# Altium PCB SystemStatus.PcbDoc (part 1 of 2) (continued)
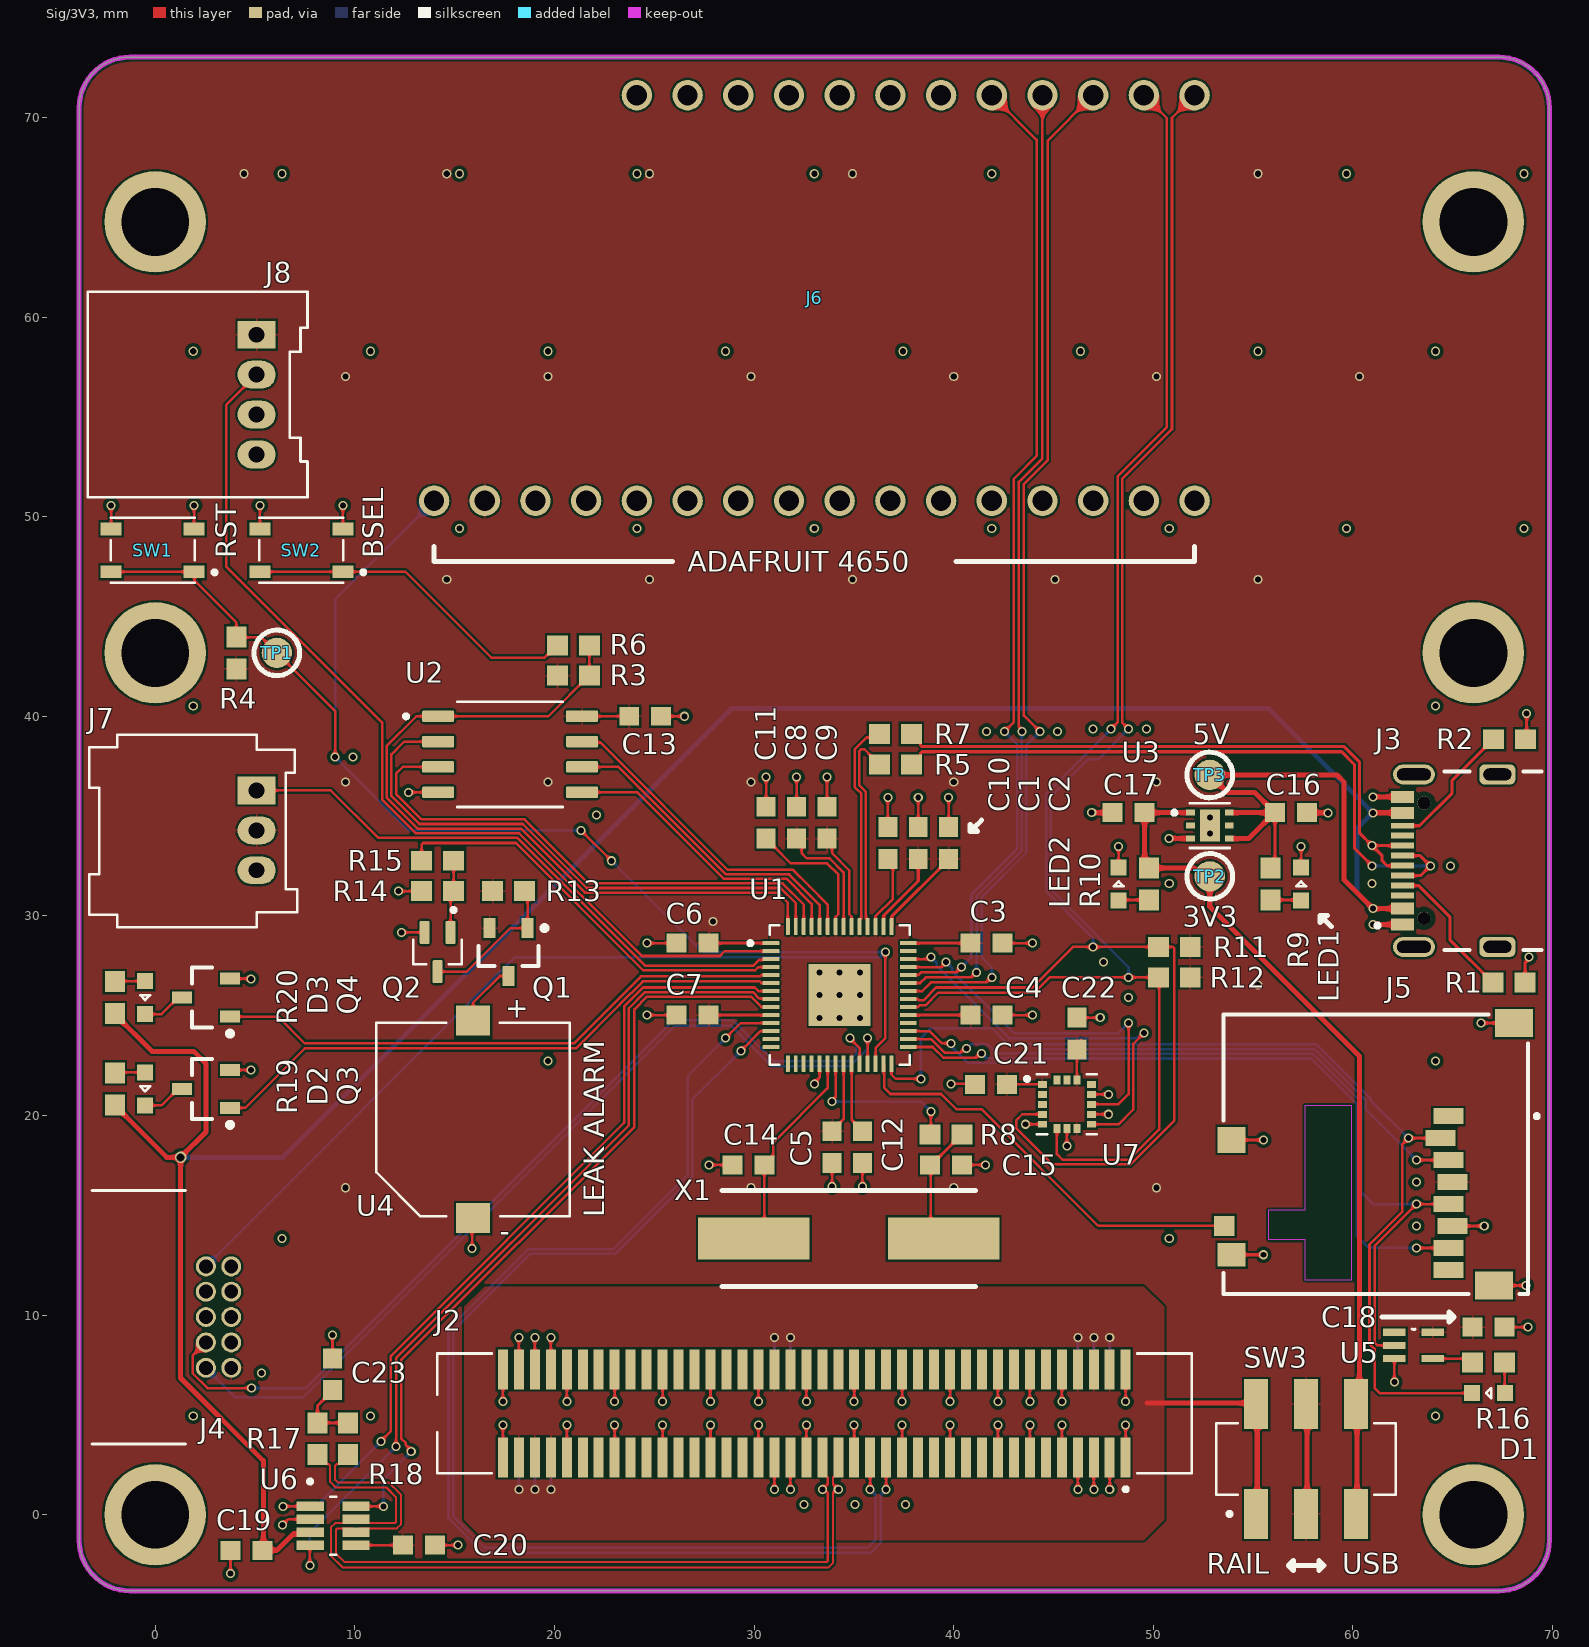
[diagram p0: Sig/3V3 view]
## Design rules (kind name [scope] priority, off if disabled: settings) (continued)
PolygonConnect [All] p2: thpad.connectstyle=Relief thpad.reliefconductorwidth=0.102 thpad.reliefentries=4 thpad.polygonreliefangle="90 Angle" thpad.airgapwidth=0.102 smdpad.connectstyle=Relief smdpad.reliefconductorwidth=0.102 smdpad.reliefentries=4 smdpad.polygonreliefangle="90 Angle" smdpad.airgapwidth=0.102 via.connectstyle=Direct via.reliefconductorwidth=0.127 via.reliefentries=4 via.polygonreliefangle="90 Angle" via.airgapwidth=0.127
RoutingVias [All] p1: holewidth=0.2 width=0.45 viastyle="Through Hole" minholewidth=0.2 minwidth=0.45 maxholewidth=6.3 maxwidth=6.55
SilkToSilkClearance [All] p1: silktosilkclearance=0
SilkToSolderMaskClearance [IsPad] p1: minsilkscreentomaskgap=0.102 clearancetoexposedcopper=TRUE
SolderMaskExpansion [All] p1: expansion=0.075 istentingtop=FALSE
Width [All] p1: maxlimit=1816.048 minlimit=0.102 preferedwidth=0.102
20 further rules are at their usual default settings.

## Classes and differential pairs
differential pair class USB0_RP_LINES: USB0_RP
differential pair class USB0_LINES: USB0_D
differential pair class CAN0_LINES: CAN0
net class USB0_RP: USB0_RP_N USB0_RP_P
net class USB0_D: USB0_D_N USB0_D_P
net class CAN0: CAN0_N CAN0_P
component class Power: C16 C17 LED1 LED2 R9 R10 SW3 TP2 TP3 U3
component class Microcontroller: C1 C2 C3 C4 C5 C6 C7 C8 C9 C10 C11 C12 C13 C14 C15 R3 R4 R5 R6 R7 R8 SW1 SW2 TP1 U1 U2 X1
component class Connectors: J1 J2 J3 J4 R1 R2
component class Components: C18 C19 C20 C21 C22 C23 D1 D2 D3 J5 J6 J7 J8 Q1 Q2 Q3 Q4 R11 R12 R13 R14 R15 R16 R17 R18 R19 R20 U4 U5 U6 U7
differential pair USB0_RP: +USB0_RP_P -USB0_RP_N
differential pair USB0_D: +USB0_D_P -USB0_D_N
differential pair CAN0: +CAN0_P -CAN0_N

## Components (designator, comment, footprint, x,y, rotation, side; value= is the part's Value field where it differs from the comment)
C1 "1uF" CAPC0603 38.227,33.655 r270 top
C2 "100nF" CAPC0603 39.751,33.655 r270 top
C3 "100nF" CAPC0603 41.656,28.635 r180 top
C4 "100nF" CAPC0603 41.656,25.035 r180 top
C5 "100nF" CAPC0603 33.909,18.415 r90 top
C6 "100nF" CAPC0603 26.924,28.635 r0 top
C7 "100nF" CAPC0603 26.924,25.035 r0 top
C8 "100nF" CAPC0603 32.131,34.671 r270 top
C9 "100nF" CAPC0603 33.655,34.671 r270 top
C10 "1uF" CAPC0603 36.703,33.655 r270 top
C11 "100nF" CAPC0603 30.607,34.671 r270 top
C12 "100nF" CAPC0603 35.433,18.415 r90 top
C13 "100nF" CAPC0603 24.549,40.005 r180 top
C14 "27pF" CAPC0603 29.718,17.526 r0 top
C15 "27pF" CAPC0603 39.624,17.526 r180 top
C16 "1uF" CAPC0603 56.896,35.175 r180 top
C17 "1uF" CAPC0603 48.768,35.175 r0 top
C18 "100nF" CAPC0603 66.802,9.398 r0 top
C19 "100nF" CAPC0603 4.572,-1.778 r0 top
C20 "100nF" CAPC0603 13.208,-1.524 r180 top
C21 "100nF" CAPC0603 41.872,21.566 r0 top
C22 "100nF" CAPC0603 46.175,24.106 r270 top
C23 "Cap" CAPC0603 8.883,7.041 r90 top value=CT
D1 "RED" LED0603 66.802,6.096 r180 top
D2 "GREEN" LED0603 -0.5,21.336 r270 top
D3 "YELLOW" LED0603 -0.5,25.908 r270 top
J1 "10144517-081802LF" AMPHENOL_10144517-081802LF 33.02,5.08 r0 bottom
J2 "10144518-083802LF" AMPHENOL_10144518-083802LF 33.02,5.08 r180 top
J3 "USB4105-GF-A" GCT_USB4105-GF-A 67.239,32.77 r90 top locked
J4 "3221-10" 3220-10-0200-00 -2.794,9.906 r90 top
J5 "MEM2052-00-195-00-A" GCT_MEM2052-00-195-00-A_REVA 61.147,18.063 r90 top
J6 "Adafruit FeatherWing OLED" ADAFRUIT_4650 21.59,71.12 r0 top locked
J7 "0353630360" MOLEX-HDR-1X3-SHERLOCK-RA 5.08,36.29 r90 top
J8 "0353630460" MOLEX-HDR-1X4-SHERLOCK-RA 5.08,59.118 r90 top
LED1 "RED" LED0603 57.404,31.604 r90 top
LED2 "YELLOW" LED0603 48.26,31.604 r90 top
Q1 "DMP3056L-7" SOT-23-3 17.704,28.194 r270 top
Q2 "2N7002W" SOT-323 14.148,28.194 r270 top
Q3 "MMUN2235LT1G" SOT-23-3 2.548,21.336 r180 top
Q4 "MMUN2235LT1G" SOT-23-3 2.548,25.908 r180 top
R1 "5.1kR" RES0603 67.831,26.662 r180 top
R2 "5.1kR" RES0603 67.856,38.854 r180 top
R3 "Res" RES0603 20.955,42.037 r180 top value=DNP
R4 "1kR" RES0603 4.064,43.18 r270 top
R5 "27.4R" RES0603 37.084,37.592 r0 top
R6 "1kR" RES0603 20.955,43.561 r0 top
R7 "27.4R" RES0603 37.084,39.116 r0 top
R8 "1kR" RES0603 39.624,19.05 r180 top
R9 "1kR" RES0603 55.88,31.604 r90 top
R10 "1kR" RES0603 49.784,31.604 r90 top
R11 "1kR" RES0603 51.054,28.448 r0 top
R12 "1kR" RES0603 51.054,26.924 r0 top
R13 "10kR" RES0603 17.704,31.242 r180 top
R14 "10kR" RES0603 14.148,31.242 r0 top
R15 "1kR" RES0603 14.148,32.766 r0 top
R16 "270R" RES0603 66.802,7.62 r180 top
R17 "Res" RES0603 8.128,3.81 r90 top value=RT/2
R18 "Res" RES0603 9.652,3.81 r270 top value=RT/2
R19 "270R" RES0603 -2.024,21.336 r270 top
R20 "270R" RES0603 -2.024,25.908 r270 top
SW1 "PTS810 SJK 250" SW_PTS810_SJM_250_SMTR_LFS -0.129,48.319 r180 top
SW2 "PTS810 SJK 250" SW_PTS810_SJM_250_SMTR_LFS 7.323,48.319 r180 top
SW3 "JS202011SCQN" SW_JS202011SCQN 57.658,2.794 r0 top
TP1 "TP" TPAD-60MIL 6.096,43.18 r0 top
TP2 "TP" TPAD-60MIL 52.832,31.985 r0 top
TP3 "TP" TPAD-60MIL 52.832,37.065 r0 top
U1 "RP2040" QFN40P700X700X90-57N 34.29,26.035 r0 top
U2 "W25Q128JVSIQ" SOIC127P790X216-8N 17.78,38.1 r0 top
U3 "TLV757P" VREG_TLV75733PDRVR 52.832,34.525 r0 top
U4 "CMI-9705" CUI_CMI-9705-0380-SMT-TR 15.926,19.812 r0 top
U5 "74LVC1G17SE-7" SOT65P210X110-5N 63.043,8.484 r0 top
U6 "TCAN1044AV" SOT65P280X110-8N 8.913,-0.549 r0 top
U7 "LIS3DHTR" XDCR_LIS3DHTR 45.675,20.566 r0 top
X1 "12.000MHZ" ABLS-12.000MHZ 39.497,13.843 r180 top

## Footprints (in the part's own frame and the unit in brackets; to place one, negate y for a bottom-side part, rotate by r counter-clockwise, add the part's x,y. Pads: shape width x height; smd on the part's side, far side on the other; paste and mask are expansions set on the pad)
3220-10-0200-00 [mm]
  round 1 hole 0.7: 1(-2.54,-6.604) 2(-2.54,-5.334) 3(-1.27,-6.604) 4(-1.27,-5.334) 5(0,-6.604) 6(0,-5.334) 7(1.27,-6.604) 8(1.27,-5.334) 9(2.54,-6.604) 10(2.54,-5.334)
  silkscreen extent -6.35,-4.32 6.35,0.38, body extent -6.32,-6.81 6.32,0.76, height 5.14
ABLS-12.000MHZ [mil]
  rect 220x83 smd paste-22.44 mask+1.97: 1(0,0) 2(374,0)
  silkscreen extent -63,-95 437,95, body extent -60,-93 440,93, height 160
ADAFRUIT_4650 [mil]
  round 60 hole 40: 1(-300,-800) 2(-200,-800) 3(-100,-800) 4(0,-800) 5(100,-800) 6(200,-800) 7(300,-800) 8(400,-800) 9(500,-800) 10(600,-800) 11(700,-800) 12(800,-800) 13(900,-800) 14(1000,-800) 15(1100,-800) 16(1200,-800) 17(1200,0) 18(1100,0) 19(1000,0) 20(900,0) 21(800,0) 22(700,0) 23(600,0) 24(500,0) 25(400,0) 26(300,0) 27(200,0) 28(100,0)
  body extent -550,-1150 1450,55, height 443
AMPHENOL_10144517-081802LF [mm]
  rect 0.5x2 smd: 1(15.6,2.2) 2(15.6,-2.2) 3(14.8,2.2) 4(14.8,-2.2) 5(14,2.2) 6(14,-2.2) 7(13.2,2.2) 8(13.2,-2.2) 9(12.4,2.2) 10(12.4,-2.2) 11(11.6,2.2) 12(11.6,-2.2) 13(10.8,2.2) 14(10.8,-2.2) 15(10,2.2) 16(10,-2.2) 17(9.2,2.2) 18(9.2,-2.2) 19(8.4,2.2) 20(8.4,-2.2) 21(7.6,2.2) 22(7.6,-2.2) 23(6.8,2.2) 24(6.8,-2.2) 25(6,2.2) 26(6,-2.2) 27(5.2,2.2) 28(5.2,-2.2) 29(4.4,2.2) 30(4.4,-2.2) 31(3.6,2.2) 32(3.6,-2.2) 33(2.8,2.2) 34(2.8,-2.2) 35(2,2.2) 36(2,-2.2) 37(1.2,2.2) 38(1.2,-2.2) 39(0.4,2.2) 40(0.4,-2.2) 41(-0.4,2.2) 42(-0.4,-2.2) 43(-1.2,2.2) 44(-1.2,-2.2) 45(-2,2.2) 46(-2,-2.2) 47(-2.8,2.2) 48(-2.8,-2.2) 49(-3.6,2.2) 50(-3.6,-2.2) 51(-4.4,2.2) 52(-4.4,-2.2) 53(-5.2,2.2) 54(-5.2,-2.2) 55(-6,2.2) 56(-6,-2.2) 57(-6.8,2.2) 58(-6.8,-2.2) 59(-7.6,2.2) 60(-7.6,-2.2) 61(-8.4,2.2) 62(-8.4,-2.2) 63(-9.2,2.2) 64(-9.2,-2.2) 65(-10,2.2) 66(-10,-2.2) 67(-10.8,2.2) 68(-10.8,-2.2) 69(-11.6,2.2) 70(-11.6,-2.2) 71(-12.4,2.2) 72(-12.4,-2.2) 73(-13.2,2.2) 74(-13.2,-2.2) 75(-14,2.2) 76(-14,-2.2) 77(-14.8,2.2) 78(-14.8,-2.2) 79(-15.6,2.2) 80(-15.6,-2.2)
  silkscreen extent -18.9,-3 18.9,4.3, body extent -18.9,-3 18.9,3, height 3.66
AMPHENOL_10144518-083802LF [mm]
  rect 0.5x2 smd paste+0: 1(-15.6,2.2) 2(-15.6,-2.2) 3(-14.8,2.2) 4(-14.8,-2.2) 5(-14,2.2) 6(-14,-2.2) 7(-13.2,2.2) 8(-13.2,-2.2) 9(-12.4,2.2) 10(-12.4,-2.2) 11(-11.6,2.2) 12(-11.6,-2.2) 13(-10.8,2.2) 14(-10.8,-2.2) 15(-10,2.2) 16(-10,-2.2) 17(-9.2,2.2) 18(-9.2,-2.2) 19(-8.4,2.2) 20(-8.4,-2.2) 21(-7.6,2.2) 22(-7.6,-2.2) 23(-6.8,2.2) 24(-6.8,-2.2) 25(-6,2.2) 26(-6,-2.2) 27(-5.2,2.2) 28(-5.2,-2.2) 29(-4.4,2.2) 30(-4.4,-2.2) 31(-3.6,2.2) 32(-3.6,-2.2) 33(-2.8,2.2) 34(-2.8,-2.2) 35(-2,2.2) 36(-2,-2.2) 37(-1.2,2.2) 38(-1.2,-2.2) 39(-0.4,2.2) 40(-0.4,-2.2) 41(0.4,2.2) 42(0.4,-2.2) 43(1.2,2.2) 44(1.2,-2.2) 45(2,2.2) 46(2,-2.2) 47(2.8,2.2) 48(2.8,-2.2) 49(3.6,2.2) 50(3.6,-2.2) 51(4.4,2.2) 52(4.4,-2.2) 53(5.2,2.2) 54(5.2,-2.2) 55(6,2.2) 56(6,-2.2) 57(6.8,2.2) 58(6.8,-2.2) 59(7.6,2.2) 60(7.6,-2.2) 61(8.4,2.2) 62(8.4,-2.2) 63(9.2,2.2) 64(9.2,-2.2) 65(10,2.2) 66(10,-2.2) 67(10.8,2.2) 68(10.8,-2.2) 69(11.6,2.2) 70(11.6,-2.2) 71(12.4,2.2) 72(12.4,-2.2) 73(13.2,2.2) 74(13.2,-2.2) 75(14,2.2) 76(14,-2.2) 77(14.8,2.2) 78(14.8,-2.2) 79(15.6,2.2) 80(15.6,-2.2)
  silkscreen extent -18.9,-3 18.9,3.9, body extent -18.9,-3 18.9,3, height 6.65
CAPC0603 [mm] "Chip Capacitor, 2-Leads, Body 1.60x0.80mm, IPC Medium Density"
  rect 1x0.95 smd: 1(-0.8,0) 2(0.8,0)
  body extent -0.88,-0.48 0.87,0.48, height 0.8
CUI_CMI-9705-0380-SMT-TR [mm]
  rect 1.7x1.5 smd: N(0,-4.95) P(0,4.95)
  silkscreen extent -4.85,-4.85 4.85,4.85, body extent -4.85,-5.05 4.85,5.05, height 5.21
GCT_MEM2052-00-195-00-A_REVA [mm]
  rect 1.4x1.9 smd: G1(-6.575,-5.925) G2(6.575,-6.925)
  rect 1.2x1.4 smd: G3(-5.035,7.225)
  rect 1.3x1.4 smd: G4(0.715,7.225)
  rect 0.8x1.5 smd: P1(1.905,-3.635) P2(0.805,-3.235) P3(-0.295,-3.635) P4(-1.395,-3.835) P5(-2.495,-3.635) P6(-3.595,-3.835) P7(-4.695,-3.635) P8(-5.795,-3.635)
  rect 1x1.04 smd: P9(-3.585,7.595)
  Keep-Out Layer region: -2.79,3.535 2.45,3.535 2.45,1.235 -6.31,1.235 -6.31,3.535 -4.29,3.535 -4.29,5.365 -2.79,5.365
  silkscreen extent -7,-8.17 7,7.63, body extent -7.2,-7.83 6.95,7.62, height 1.96
GCT_USB4105-GF-A [mm]
  rect 0.6x1.15 smd: A1_B12(-3.2,4.755) A4_B9(-2.4,4.755) B1_A12(3.2,4.755) B4_A9(2.4,4.755)
  rect 0.3x1.15 smd: A5(-1.25,4.755) A6(-0.25,4.755) A7(0.25,4.755) A8(1.25,4.755) B5(1.75,4.755) B6(0.75,4.755) B7(-0.75,4.755) B8(-1.75,4.755)
  oval 1x2.1 hole 0.6 slot 1.7 at 90 deg: S1(-4.32,4.18) S2(4.32,4.18)
  rrect50% 1x1.8 hole 0.6 slot 1.4 at 90 deg: S3(-4.32,0) S4(4.32,0)
  round 0.65 hole 0.65 unplated paste-2539.97: ""(-2.89,3.68) ""(2.89,3.68)
  silkscreen extent -4.47,-2.22 4.47,6.1, body extent -4.47,-2.6 4.47,5.11, height 3.31
LED0603 [mm] "Chip LED, 2-Leads, Body 1.60x0.80mm, IPC Medium Density"
  rect 0.8x0.8 smd: A(-0.825,0) C(0.825,0)
  silkscreen extent -0.13,-0.25 0.12,0.25, body extent -0.88,-0.48 0.87,0.47, height 0.8
MOLEX-HDR-1X3-SHERLOCK-RA [mm]
  rect 1.397x1.905 hole 0.8: 1(0,0)
  oval 1.397x1.905 hole 0.8: 2(-2,0) 3(-4,0)
  silkscreen extent -6.86,-2.03 2.79,8.38, body extent -6.88,-1.99 2.82,8.51, height 5.75
MOLEX-HDR-1X4-SHERLOCK-RA [mm]
  rect 1.397x1.905 hole 0.8: 1(0,0)
  oval 1.397x1.905 hole 0.8: 2(-2,0) 3(-4,0) 4(-6,0)
  silkscreen extent -8.15,-2.55 2.15,8.46, body extent -8.17,-1.98 2.13,8.52, height 5.54
QFN40P700X700X90-57N [mm]
  rrect25% 0.84x0.2 smd mask+0.05: 1(-3.435,2.6) 2(-3.435,2.2) 3(-3.435,1.8) 4(-3.435,1.4) 5(-3.435,1) 6(-3.435,0.6) 7(-3.435,0.2) 8(-3.435,-0.2) 9(-3.435,-0.6) 10(-3.435,-1) 11(-3.435,-1.4) 12(-3.435,-1.8) 13(-3.435,-2.2) 14(-3.435,-2.6) 29(3.435,-2.6) 30(3.435,-2.2) 31(3.435,-1.8) 32(3.435,-1.4) 33(3.435,-1) 34(3.435,-0.6) 35(3.435,-0.2) 36(3.435,0.2) 37(3.435,0.6) 38(3.435,1) 39(3.435,1.4) 40(3.435,1.8) 41(3.435,2.2) 42(3.435,2.6)
  rrect25% 0.2x0.84 smd mask+0.05: 15(-2.6,-3.435) 16(-2.2,-3.435) 17(-1.8,-3.435) 18(-1.4,-3.435) 19(-1,-3.435) 20(-0.6,-3.435) 21(-0.2,-3.435) 22(0.2,-3.435) 23(0.6,-3.435) 24(1,-3.435) 25(1.4,-3.435) 26(1.8,-3.435) 27(2.2,-3.435) 28(2.6,-3.435) 43(2.6,3.435) 44(2.2,3.435) 45(1.8,3.435) 46(1.4,3.435) 47(1,3.435) 48(0.6,3.435) 49(0.2,3.435) 50(-0.2,3.435) 51(-0.6,3.435) 52(-1,3.435) 53(-1.4,3.435) 54(-1.8,3.435) 55(-2.2,3.435) 56(-2.6,3.435)
  rect 3.1x3.1 smd paste-0.57 mask+0.05: 57(0,0)
  silkscreen extent -4.57,-3.5 3.5,3.5, body extent -3.5,-3.5 3.5,3.5
RES0603 [mm] "Chip Resistor, 2-Leads, Body 1.60x0.80mm, IPC Medium Density"
  rect 1.05x1 smd: 1(-0.8,0) 2(0.8,0)
  body extent -0.88,-0.48 0.87,0.47, height 0.8
SOIC127P790X216-8N [mm]
  rrect25% 1.61x0.58 smd: 1(-3.605,1.905) 2(-3.605,0.635) 3(-3.605,-0.635) 4(-3.605,-1.905) 5(3.605,-1.905) 6(3.605,-0.635) 7(3.605,0.635) 8(3.605,1.905)
  silkscreen extent -5.31,-2.64 2.64,2.64, body extent -3.95,-2.64 3.95,2.64, height 2.11
SOT65P210X110-5N [mil]
  rect 44x14 smd: 1(-38,26) 2(-38,0) 3(-38,-26) 4(38,-26) 5(38,26)
  silkscreen extent -3,32 3,32, body extent -41,-39 41,39, height 43
SOT65P280X110-8N [mm]
  rrect10% 1.37x0.48 smd: 1(-1.15,0.975) 2(-1.15,0.325) 3(-1.15,-0.325) 4(-1.15,-0.975) 5(1.15,-0.975) 6(1.15,-0.325) 7(1.15,0.325) 8(1.15,0.975)
  silkscreen extent -1.25,-1.45 0.15,2.31, body extent -1.4,-1.45 1.4,1.45, height 1.1
SOT-23-3 [mm] "SOT23, 3-Leads, Body 2.92x2.37mm, Pitch 0.95mm, IPC Medium Density"
  rect 1x0.6 smd: 1(-1.2,0.95) 2(-1.2,-0.95) 3(1.2,0)
  silkscreen extent -1.32,-1.5 0.7,1.93, body extent -1.32,-1.52 1.32,1.52, height 1.11
SOT-323 [mm]
  rrect25% 1.15x0.5 smd: 1(-0.98,0.65) 2(-0.98,-0.65) 3(0.98,0)
  silkscreen extent -2.2,-1.21 0.62,1.21, body extent -1,-1 1.1,1, height 1.01
SW_JS202011SCQN [mm]
  rect 1.2x2.5 smd: 1(-2.5,-2.75) 2(0,-2.75) 3(2.5,-2.75) 4(-2.5,2.75) 5(0,2.75) 6(2.5,2.75)
  silkscreen extent -4.5,-2.85 4.5,1.8, body extent -4.5,-3.75 4.5,3.75, height 5.52
SW_PTS810_SJM_250_SMTR_LFS [mm]
  rect 1.05x0.65 smd: 1(-2.075,1.075) 2(2.075,1.075) 3(-2.075,-1.075) 4(2.075,-1.075)
  silkscreen extent -3.2,-1.62 2.1,1.62, body extent -2.3,-1.6 2.3,1.6, height 2.71
TPAD-60MIL [mil]
  round 60 smd paste-99999: 1(0,0)
  silkscreen extent -45,-45 45,45
VREG_TLV75733PDRVR [mm]
  rrect5% 0.45x0.3 smd: 1(-0.975,0.65) 2(-0.975,0) 3(-0.975,-0.65) 4(0.975,-0.65) 5(0.975,0) 6(0.975,0.65)
  rect 1x1.6 smd paste-2: 7(0,0)
  round 0.452 hole 0.3 mask+0: 8(0,0.4) 9(0,-0.4)
  silkscreen extent -1.87,-1.12 1,1.12, body extent -1,-1 1,1, height 0.8
XDCR_LIS3DHTR [mm]
  rect 0.45x0.35 smd paste-1 mask+0: 1(-1.225,1) 2(-1.225,0.5) 3(-1.225,0) 4(-1.225,-0.5) 5(-1.225,-1) 9(1.225,-1) 10(1.225,-0.5) 11(1.225,0) 12(1.225,0.5) 13(1.225,1)
  rect 0.35x0.45 smd paste-1 mask+0: 6(-0.5,-1.225) 7(0,-1.225) 8(0.5,-1.225) 14(0.5,1.225) 15(0,1.225) 16(-0.5,1.225)
  silkscreen extent -2.1,-1.5 1.5,1.5, body extent -1.5,-1.5 1.5,1.5, height 1

## Part data
C1 C10 C16 C17: library part CC0603KRX7R7BB105, "Ceramic Capacitor, Multilayer, Cera", Capacitor Type=Ceramic, Case/Package=0603, Manufacturer=Yageo, Max Operating Temperature=125°C, Min Operating Temperature=-55°C, Package Shape=Rectangular, Package Style=SMTMeter, Rated DC Voltage (URdc)=16V, Supplier Part Number 1=311-1446-1-ND, Temperature Characteristics Code=X7R, Tolerance  (fill in as +-)=10%, Category="Ceramic Capacitors", ComponentLink1Description=https://datasheet.ciiva.com:443/pdf, ComponentLink1URL=https://datasheet.ciiva.com:443/pdf, ComponentLink2Description=https://datasheet.ciiva.com/8033/17, ComponentLink2URL=https://datasheet.ciiva.com/8033/17, ComponentLink3Description=https://datasheet.ciiva.com/8033/17, ComponentLink3URL=https://datasheet.ciiva.com/8033/17, ComponentLink4Description=https://datasheet.ciiva.com/7978/14, ComponentLink4URL=https://datasheet.ciiva.com/7978/14, ComponentLink5Description=https://datasheet.ciiva.com/28450/1, ComponentLink5URL=https://datasheet.ciiva.com/28450/1, ComponentLink6Description=https://datasheet.ciiva.com/176/mlc, ComponentLink6URL=https://datasheet.ciiva.com/176/mlc, ComponentLink7Description=https://datasheet.ciiva.com/176/mlc, ComponentLink7URL=https://datasheet.ciiva.com/176/mlc, ComponentLink8Description=https://datasheet.ciiva.com/176/mlc, ComponentLink8URL=https://datasheet.ciiva.com/176/mlc, ComponentLink9Description=https://datasheet.ciiva.com/5425/up, ComponentLink9URL=https://datasheet.ciiva.com/5425/up, Dielectric Material=Ceramic, Height=0.8mm, JESD-609 Code=e3, Length=1.6mm, Manufacturer Part Number=CC0603KRX7R7BB105, Mounting Technology="Surface Mount", Multilayer=Yes, Packaging="Tape and Reel", Part Number=CC0603KRX7R7BB105, Pins=2, Pricing 1="1=0.1, 10=0.066, 50=0.0392, 100=0.0", Reach SVHC Compliant=Yes, RoHS=Yes, RoHS Compliant=Yes, Stock 1=9695416, Supplier 1=Digikey, Terminal Finish=Nickel, Termination=Wraparound, Tolerance (fill in as +-)=10%, Width=0.8mm
C2 C3 C4 C5 C6 C7 C8 C9 C11 C12 C13 C18 C19 C20 C21 C22: library part CC0603KRX7R7BB104, "Ceramic Capacitor, Multilayer, Cera", Capacitor Type=Ceramic, Case/Package=0603, Manufacturer=Yageo, Max Operating Temperature=125°C, Min Operating Temperature=-55°C, Package Shape=Rectangular, Package Style=SMTMeter, Rated DC Voltage (URdc)=16V, Supplier Part Number 1=311-1088-1-ND, Temperature Characteristics Code=X7R, Tolerance  (fill in as +-)=10%, Category="Ceramic Capacitors", ComponentLink1Description=https://datasheet.ciiva.com:443/pdf, ComponentLink1URL=https://datasheet.ciiva.com:443/pdf, ComponentLink2Description=https://datasheet.ciiva.com/11786/0, ComponentLink2URL=https://datasheet.ciiva.com/11786/0, ComponentLink3Description=https://datasheet.ciiva.com/8033/70, ComponentLink3URL=https://datasheet.ciiva.com/8033/70, ComponentLink4Description=https://datasheet.ciiva.com/7978/14, ComponentLink4URL=https://datasheet.ciiva.com/7978/14, ComponentLink5Description=https://datasheet.ciiva.com/28450/1, ComponentLink5URL=https://datasheet.ciiva.com/28450/1, ComponentLink6Description=https://datasheet.ciiva.com/46430/1, ComponentLink6URL=https://datasheet.ciiva.com/46430/1, ComponentLink7Description=https://datasheet.ciiva.com/144/mlc, ComponentLink7URL=https://datasheet.ciiva.com/144/mlc, ComponentLink8Description=https://datasheet.ciiva.com/144/mlc, ComponentLink8URL=https://datasheet.ciiva.com/144/mlc, ComponentLink9Description=https://datasheet.ciiva.com/144/mlc, ComponentLink9URL=https://datasheet.ciiva.com/144/mlc, ComponentLink10Description=https://datasheet.ciiva.com/8033/17, ComponentLink10URL=https://datasheet.ciiva.com/8033/17, ComponentLink11Description=https://datasheet.ciiva.com/13395/u, ComponentLink11URL=https://datasheet.ciiva.com/13395/u, ComponentLink12Description=https://datasheet.ciiva.com/11464/u, ComponentLink12URL=https://datasheet.ciiva.com/11464/u, ComponentLink13Description=https://datasheet.ciiva.com/15165/g, ComponentLink13URL=https://datasheet.ciiva.com/15165/g, ComponentLink14Description=https://datasheet.ciiva.com:443/pdfs/VipMasterIC/IC/YAGO/YAGO-S-A0003557223, ComponentLink14URL=https://datasheet.ciiva.com:443/pdfs/VipMasterIC/IC/YAGO/YAGO-S-A0003557223, ComponentLink15Description=https://datasheet.ciiva.com/11786/0900766b80d84f1d-11786077.pdf?src-supplie, ComponentLink15URL=https://datasheet.ciiva.com/11786/0900766b80d84f1d-11786077.pdf?src-supplie, ComponentLink16Description=https://datasheet.ciiva.com/8033/70765-8033799.pdf?src-supplier=Element14, ComponentLink16URL=https://datasheet.ciiva.com/8033/70765-8033799.pdf?src-supplier=Element14, ComponentLink17Description=https://datasheet.ciiva.com/7978/1489800-7978141.pdf?src-supplier=Element14, ComponentLink17URL=https://datasheet.ciiva.com/7978/1489800-7978141.pdf?src-supplier=Element14, ComponentLink18URL=https://datasheet.ciiva.com/28450/1489800-28450552.pdf?src-supplier=Element, Dielectric Material=Ceramic, Height=0.8mm, JESD-609 Code=e3, Length=1.6mm, Manufacturer Part Number=CC0603KRX7R7BB104, Mounting Technology="Surface Mount", Multilayer=Yes, Packaging="Tape and Reel", Part Number=CC0603KRX7R7BB104, Pins=2, Pricing 1="1=0.1, 10=0.042, 50=0.0238, 100=0.0", Reach SVHC Compliant=Yes, RoHS=Yes, RoHS Compliant=Yes, Stock 1=11347706, Supplier 1=Digikey, Terminal Finish=Nickel, Termination=Wraparound, Tolerance (fill in as +-)=10%, Width=0.8mm
C14 C15: library part CC0603JRNPO9BN270, "Ceramic Capacitor, Multilayer, Cera", Capacitor Type=Ceramic, Case/Package=0603, Manufacturer=Yageo, Max Operating Temperature=125°C, Min Operating Temperature=-55°C, Package Shape=Rectangular, Package Style=SMTMeter, Rated DC Voltage (URdc)=50V, Supplier Part Number 1=311-1063-1-ND, Temperature Characteristics Code=C0G, Tolerance  (fill in as +-)=5%, Category="Ceramic Capacitors", ComponentLink1Description=https://datasheet.ciiva.com:443/pdf, ComponentLink1URL=https://datasheet.ciiva.com:443/pdf, ComponentLink2Description=https://datasheet.ciiva.com/26862/g, ComponentLink2URL=https://datasheet.ciiva.com/26862/g, ComponentLink3Description=https://datasheet.ciiva.com/8033/14, ComponentLink3URL=https://datasheet.ciiva.com/8033/14, ComponentLink4Description=https://datasheet.ciiva.com/46430/1, ComponentLink4URL=https://datasheet.ciiva.com/46430/1, ComponentLink5Description=https://datasheet.ciiva.com/144/mlc, ComponentLink5URL=https://datasheet.ciiva.com/144/mlc, ComponentLink6Description=https://datasheet.ciiva.com/144/mlc, ComponentLink6URL=https://datasheet.ciiva.com/144/mlc, ComponentLink7Description=https://datasheet.ciiva.com/144/mlc, ComponentLink7URL=https://datasheet.ciiva.com/144/mlc, ComponentLink8Description=https://datasheet.ciiva.com/8033/17, ComponentLink8URL=https://datasheet.ciiva.com/8033/17, ComponentLink9Description=https://datasheet.ciiva.com/8033/17, ComponentLink9URL=https://datasheet.ciiva.com/8033/17, ComponentLink10Description=https://datasheet.ciiva.com/11464/u, ComponentLink10URL=https://datasheet.ciiva.com/11464/u, Dielectric Material=Ceramic, Height=0.8mm, JESD-609 Code=e3, Length=1.6mm, Manufacturer Part Number=CC0603JRNPO9BN270, Mounting Technology="Surface Mount", Multilayer=Yes, Packaging="Tape and Reel", Part Number=CC0603JRNPO9BN270, Pins=2, Pricing 1="1=0.1, 10=0.033, 50=0.0188, 100=0.0", Reach SVHC Compliant=Yes, RoHS=Yes, RoHS Compliant=Yes, Stock 1=110865, Supplier 1=Digikey, Terminal Finish=Nickel, Termination=Wraparound, Tolerance (fill in as +-)=5%, Width=0.8mm
C23: Supplier Part Number 1=1276-1000-1-ND, Supplier 1=Digi-Key
D1 LED1: library part 150060RS75000, "Single Color LED, Red, Water Clear,", Color=Red, Forward Current=30mA, Manufacturer="Wurth Electronics", Max Operating Temperature=85°C, Min Operating Temperature=-40°C, Supplier Part Number 1=732-4978-1-ND, Category=LEDs, Channels=1, ComponentLink1Description=https://datasheet.ciiva.com:443/pdf, ComponentLink1URL=https://datasheet.ciiva.com:443/pdf, ComponentLink2Description=https://datasheet.ciiva.com/29563/1, ComponentLink2URL=https://datasheet.ciiva.com/29563/1, ComponentLink3Description=https://datasheet.ciiva.com/29279/7, ComponentLink3URL=https://datasheet.ciiva.com/29279/7, Lens Style="WATER CLEAR", Luminous Intensity-Nom=250mcd, Manufacturer Part Number=150060RS75000, Mounting Technology="Surface Mount", Optoelectronic Device Type="SINGLE COLOR LED", Overall Height=0.7mm, Packaging="Tape and Reel", Part Number=150060RS75000, Pins=2, Pricing 1="1=0.15, 50=0.142, 100=0.122, 500=0.", Reach SVHC Compliant=Yes, RoHS=Yes, RoHS Compliant=Yes, Shape=Rectangular, Size=1.1mm, Stock 1=139850, Supplier 1=Digikey, Terminal Pitch=1.6mm, Viewing Angle=140°
D2: library part 150060VS75000, "Single Color LED, Bright Green, Wat", Color=Green, Forward Current=30mA, Manufacturer="Wurth Electronics", Max Operating Temperature=85°C, Min Operating Temperature=-40°C, Supplier Part Number 1=732-4980-1-ND, Category=LEDs, Channels=1, ComponentLink1Description=https://datasheet.ciiva.com:443/pdf, ComponentLink1URL=https://datasheet.ciiva.com:443/pdf, ComponentLink2Description=https://datasheet.ciiva.com/29562/1, ComponentLink2URL=https://datasheet.ciiva.com/29562/1, Lens Style="WATER CLEAR", Luminous Intensity-Nom=40mcd, Manufacturer Part Number=150060VS75000, Mounting Technology="Surface Mount", Optoelectronic Device Type="SINGLE COLOR LED", Overall Height=0.7mm, Packaging="Tape and Reel", Part Number=150060VS75000, Pins=2, Pricing 1="1=0.15, 50=0.142, 100=0.122, 500=0.", Reach SVHC Compliant=Yes, RoHS=Yes, RoHS Compliant=Yes, Shape=Rectangular, Size=1.1mm, Stock 1=38675, Supplier 1=Digikey, Terminal Pitch=1.6mm, Viewing Angle=140°
D3 LED2: library part 150060YS75000, "Single Color LED, Yellow, Water Cle", Color=Yellow, Forward Current=30mA, Manufacturer="Wurth Electronics", Max Operating Temperature=85°C, Min Operating Temperature=-40°C, Supplier Part Number 1=732-4981-1-ND, Category=LEDs, Channels=1, ComponentLink1Description=https://datasheet.ciiva.com:443/pdf, ComponentLink1URL=https://datasheet.ciiva.com:443/pdf, ComponentLink2Description=https://datasheet.ciiva.com/23843/1, ComponentLink2URL=https://datasheet.ciiva.com/23843/1, ComponentLink3Description=https://datasheet.ciiva.com/29279/7, ComponentLink3URL=https://datasheet.ciiva.com/29279/7, ComponentLink4Description=https://datasheet.ciiva.com/22656/1, ComponentLink4URL=https://datasheet.ciiva.com/22656/1, ComponentLink5Description=https://datasheet.ciiva.com/29563/1, ComponentLink5URL=https://datasheet.ciiva.com/29563/1, ComponentLink6Description=https://datasheet.ciiva.com/29563/1, ComponentLink6URL=https://datasheet.ciiva.com/29563/1, ComponentLink7Description=https://datasheet.ciiva.com/48430/1, ComponentLink7URL=https://datasheet.ciiva.com/48430/1, Lens Style="WATER CLEAR", Luminous Intensity-Nom=120mcd, Manufacturer Part Number=150060YS75000, Mounting Technology="Surface Mount", Optoelectronic Device Type="SINGLE COLOR LED", Overall Height=0.7mm, Packaging="Tape and Reel", Part Number=150060YS75000, Pins=2, Pricing 1="1=0.15, 50=0.142, 100=0.122, 500=0.", Reach SVHC Compliant=Yes, RoHS=Yes, RoHS Compliant=Yes, Shape=Rectangular, Size=1.1mm, Stock 1=50357, Supplier 1=Digikey, Terminal Pitch=1.6mm, Viewing Angle=140°
J1: "CONN RCPT 1 80POS SMD GOLD", Supplier Part Number 1=609-5437-1-ND, Supplier 1=Digikey, System=Connector
J2: "CONN PLUG 3 80POS SMD GOLD", Supplier Part Number 1=609-5455-1-ND, Supplier 1=Digikey, System=Connector
J3: "USB-C (USB TYPE-C) USB 2.0 Receptacle Connector 24 (16+8 Dummy) Position Surface Mount, Right Angle; Through Hole", Package=None, Supplier Part Number 1=71AJ9393, Availability=Unavailable, MP=USB4120-03-C_REVA, Price=None, Supplier 1=Newark
J4: library part 3221-10-0300-00, "Connector Header Surface Mount 10 position 0.050\" (1.27mm)", Supplier Part Number 1=1175-1735-ND, Supplier 1=Digikey
J5: "9 (8 + 1) Position Card Connector Secure Digital - microSD™ Surface Mount, Right Angle Gold"
J6: library part ADAFRUIT_4650, "Adafruit FeatherWing OLED - 128x64 OLED Add-on For Feather - STEMMA QT / Qwiic", Supplier Part Number 1=1528-4650-ND, Supplier 1=Digikey
J7: library part SHERLOCK-1x3-RA, "Header, Molex, 2mm Pitch Sherlock Header, Single Row, Right Angle 3 Circuits, Length 3.3mm", Manufacturer="Molex Connector Corporation", Manufacturer Part Number=35363-0360, Supplier Part Number 1=WM18932-ND, Supplier 1=Digi-Key
J8: library part SHERLOCK-1x4-RA, "Header, Molex, 2mm Pitch Sherlock Header, Single Row, Horizontal, 4 Circuits, Length 3.3mm", Manufacturer=Molex, Supplier Part Number 1=WM18933-ND, Manufacturer Part Number=0353630460, Supplier 1=Digikey
Q1: "Power Field-Effect Transistor, 4.3A", Manufacturer=Diodes, Package Body Material=Plastic, Package Shape=Rectangular, Supplier Part Number 1=DMP3056L-7DICT-ND, Category=MOSFETs, JESD-609 Code=e3, Manufacturer Part Number=DMP3056L-7, Part Number=DMP3056L-7, Pins=3, Polarity/Channel Type=P-CHANNEL, Pricing 1="1=0.41, 10=0.315, 100=0.189, 500=0.", RoHS=Yes, Stock 1=150897, Supplier 1=Digikey, Terminal Finish=Tin, Transistor Element Material=SILICON
Q2: "Small Signal Field-Effect Transisto", Drain Current-Max (Abs) (ID)=115mA, Drain-source On Resistance-Max=7.5R, DS Breakdown Voltage-Min=60V, Manufacturer="ON Semiconductor / Fairchild", Max Operating Temperature=150°C, Operating Mode="ENHANCEMENT MODE", Package Body Material=Plastic, Package Shape=Rectangular, Package Style="SMALL OUTLINEMeter", Power Dissipation-Max (Abs)=200mW, Supplier Part Number 1=2N7002WCT-ND, Category=MOSFETs, Drain Current-Max (ID)=115mA, FET Technology="METAL-OXIDE SEMICONDUCTOR", JESD-30 Code=R-PDSO-G3, Manufacturer Part Number=2N7002W, Moisture Sensitivity Level=1, Number of Elements=1, Part Number=2N7002W, Pins=3, Polarity/Channel Type=N-CHANNEL, Pricing 1="1=0.43, 10=0.302, 100=0.1524, 500=0", RoHS=Yes, Stock 1=71945, Supplier 1=Digikey, Surface Mount=Yes, Terminal Form="Gull Wing", Terminal Position=DUAL, Transistor Application=SWITCHING, Transistor Element Material=SILICON
Q3 Q4: "Small Signal Bipolar Transistor, 0.", Collector-emitter Voltage-Max=50V, DC Current Gain-Min (hFE)=80, Manufacturer="ON Semiconductor", Max Collector Current=100mA, Package Body Material=Plastic, Package Shape=Rectangular, Package Style="SMALL OUTLINEMeter", Power Dissipation-Max (Abs)=400mW, Category=BJTs, ComponentLink1Description=https://datasheet.ciiva.com:443/pdf, ComponentLink1URL=https://datasheet.ciiva.com:443/pdf, ComponentLink2Description=http://www.mouser.com/ds/2/308/DTC1, ComponentLink2URL=http://www.mouser.com/ds/2/308/DTC1, ComponentLink3Description=http://www.onsemi.com/pub/Collatera, ComponentLink3URL=http://www.onsemi.com/pub/Collatera, ComponentLink4Description=http://www.onsemi.com/pub/Collatera, ComponentLink4URL=http://www.onsemi.com/pub/Collatera, JEDEC-95 Code=TO-236AB, JESD-30 Code=R-PDSO-G3, JESD-609 Code=e3, Manufacturer Part Number=MMUN2235LT1G, Moisture Sensitivity Level=1, Number of Elements=1, Part Number=MMUN2235LT1G, Pins=3, Polarity/Channel Type=NPN, Pricing 1="1=0.1198, 10=0.0829, 100=0.035, 100", Reach SVHC Compliant=Yes, RoHS=Yes, RoHS Compliant=Yes, Stock 1=373000, Supplier 1="Arrow Electronics", Supplier Part Number 1=MMUN2235LT1G, Surface Mount=Yes, Terminal Finish=Tin, Terminal Form="Gull Wing", Terminal Position=DUAL, Transistor Application=SWITCHING, Transistor Element Material=SILICON
R1 R2: library part RC0603FR-075K1L, "Fixed Resistor, Metal Glaze/thick F", Case/Package=0603, Manufacturer=Yageo, Max Operating Temperature=155°C, Min Operating Temperature=-55°C, Package Height=0.45mm, Package Length=1.6mm, Package Shape=Rectangular, Package Style=SMTMeter, Package Width=0.8mm, Power=100mW, Rated Temperature=70°C, Resistor Type="FIXED RESISTOR", Supplier Part Number 1=311-5.10KHRCT-ND, Temperature Coefficient=100ppm/°C, Tolerance=1%, Working Voltage=75V, Additional Feature="LASER TRIMMABLE", Category="Chip SMD Resistors", ComponentLink1Description=https://datasheet.ciiva.com:443/pdf, ComponentLink1URL=https://datasheet.ciiva.com:443/pdf, ComponentLink2Description=https://datasheet.ciiva.com/46395/4, ComponentLink2URL=https://datasheet.ciiva.com/46395/4, ComponentLink3Description=https://datasheet.ciiva.com/2454/py, ComponentLink3URL=https://datasheet.ciiva.com/2454/py, ComponentLink4Description=https://datasheet.ciiva.com/2454/py, ComponentLink4URL=https://datasheet.ciiva.com/2454/py, ComponentLink5Description=https://datasheet.ciiva.com/2454/py, ComponentLink5URL=https://datasheet.ciiva.com/2454/py, ComponentLink6Description=https://datasheet.ciiva.com/15189/g, ComponentLink6URL=https://datasheet.ciiva.com/15189/g, Construction=Chip, JESD-609 Code=e3, Manufacturer Part Number=RC0603FR-075K1L, Mounting Technology="Surface Mount", Packaging="Tape and Reel", Part Number=RC0603FR-075K1L, Pins=2, Pricing 1="1=0.1, 10=0.019, 50=0.0112, 100=0.0", Reach SVHC Compliant=Yes, RoHS=Yes, RoHS Compliant=Yes, Stock 1=2654160, Supplier 1=Digikey, Technology="METAL GLAZE/THICK FILM", Terminal Finish=Nickel, Termination=Wraparound
R3 R17 R18: Supplier Part Number 1=RMCF0603JT10K0CT-ND, Supplier 1=Digi-Key
R4 R6 R8 R9 R10 R11 R12 R15: library part RC0603FR-071KL, "Fixed Resistor, Metal Glaze/thick F", Case/Package=0603, Manufacturer=Yageo, Max Operating Temperature=155°C, Min Operating Temperature=-55°C, Package Height=0.45mm, Package Length=1.6mm, Package Shape=Rectangular, Package Style=SMTMeter, Package Width=0.8mm, Power=100mW, Rated Temperature=70°C, Resistor Type="FIXED RESISTOR", Supplier Part Number 1=4016291, Temperature Coefficient=100ppm/°C, Tolerance=1%, Working Voltage=75V, Additional Feature="LASER TRIMMABLE", Category="Chip SMD Resistors", ComponentLink1Description=https://datasheet.ciiva.com:443/pdf, ComponentLink1URL=https://datasheet.ciiva.com:443/pdf, ComponentLink2Description=https://datasheet.ciiva.com/11808/0, ComponentLink2URL=https://datasheet.ciiva.com/11808/0, ComponentLink3Description=https://datasheet.ciiva.com/7746/16, ComponentLink3URL=https://datasheet.ciiva.com/7746/16, ComponentLink4Description=https://datasheet.ciiva.com/7660/18, ComponentLink4URL=https://datasheet.ciiva.com/7660/18, ComponentLink5Description=https://datasheet.ciiva.com/7983/44, ComponentLink5URL=https://datasheet.ciiva.com/7983/44, ComponentLink6Description=https://datasheet.ciiva.com/7746/17, ComponentLink6URL=https://datasheet.ciiva.com/7746/17, ComponentLink7Description=https://datasheet.ciiva.com/7746/17, ComponentLink7URL=https://datasheet.ciiva.com/7746/17, ComponentLink8Description=https://datasheet.ciiva.com/8896/py, ComponentLink8URL=https://datasheet.ciiva.com/8896/py, ComponentLink9Description=https://datasheet.ciiva.com/15189/g, ComponentLink9URL=https://datasheet.ciiva.com/15189/g, Construction=Chip, JESD-609 Code=e3, Manufacturer Part Number=RC0603FR-071KL, Mounting Technology="Surface Mount", Packaging="Tape and Reel", Part Number=RC0603FR-071KL, Pins=2, Pricing 1="5000=0.0015, 50000=0.0014, 150000=0", Reach SVHC Compliant=Yes, RoHS=Yes, RoHS Compliant=Yes, Stock 1=11540000, Technology="METAL GLAZE/THICK FILM", Terminal Finish=Nickel, Termination=Wraparound
R5 R7: library part RC0603FR-0727R4L, "Fixed Resistor, Metal Glaze/thick F", Case/Package=0603, Manufacturer=Yageo, Max Operating Temperature=155°C, Min Operating Temperature=-55°C, Package Height=0.45mm, Package Length=1.6mm, Package Shape=Rectangular, Package Style=SMTMeter, Package Width=0.8mm, Power=100mW, Rated Temperature=70°C, Resistor Type="FIXED RESISTOR", Supplier Part Number 1=311-27.4HRCT-ND, Temperature Coefficient=100ppm/°C, Tolerance=1%, Working Voltage=75V, Additional Feature="LASER TRIMMABLE", Category="Chip SMD Resistors", ComponentLink1Description=https://datasheet.ciiva.com:443/pdf, ComponentLink1URL=https://datasheet.ciiva.com:443/pdf, ComponentLink2Description=https://datasheet.ciiva.com/2454/py, ComponentLink2URL=https://datasheet.ciiva.com/2454/py, ComponentLink3Description=https://datasheet.ciiva.com/2454/py, ComponentLink3URL=https://datasheet.ciiva.com/2454/py, ComponentLink4Description=https://datasheet.ciiva.com/2454/py, ComponentLink4URL=https://datasheet.ciiva.com/2454/py, ComponentLink5Description=https://datasheet.ciiva.com/8889/py, ComponentLink5URL=https://datasheet.ciiva.com/8889/py, ComponentLink6Description=https://datasheet.ciiva.com/15160/g, ComponentLink6URL=https://datasheet.ciiva.com/15160/g, Construction=Chip, JESD-609 Code=e3, Manufacturer Part Number=RC0603FR-0727R4L, Mounting Technology="Surface Mount", Packaging="Tape and Reel", Part Number=RC0603FR-0727R4L, Pins=2, Pricing 1="1=0.1, 10=0.02, 50=0.0124, 100=0.01", Reach SVHC Compliant=Yes, RoHS=Yes, RoHS Compliant=Yes, Stock 1=178500, Supplier 1=Digikey, Technology="METAL GLAZE/THICK FILM", Terminal Finish=Nickel, Termination=Wraparound
R13 R14: library part RC0603FR-0710KL, "Fixed Resistor, Metal Glaze/thick F", Case/Package=0603, Manufacturer=Yageo, Max Operating Temperature=155°C, Min Operating Temperature=-55°C, Package Height=0.45mm, Package Length=1.6mm, Package Shape=Rectangular, Package Style=SMTMeter, Package Width=0.8mm, Power=100mW, Rated Temperature=70°C, Resistor Type="FIXED RESISTOR", Supplier Part Number 1=311-10.0KHRCT-ND, Temperature Coefficient=100ppm/°C, Tolerance=1%, Working Voltage=75V, Additional Feature="LASER TRIMMABLE", Category="Chip SMD Resistors", ComponentLink1Description=https://datasheet.ciiva.com:443/pdf, ComponentLink1URL=https://datasheet.ciiva.com:443/pdf, ComponentLink2Description=https://datasheet.ciiva.com/15189/g, ComponentLink2URL=https://datasheet.ciiva.com/15189/g, ComponentLink3Description=https://datasheet.ciiva.com/7660/38, ComponentLink3URL=https://datasheet.ciiva.com/7660/38, ComponentLink4Description=https://datasheet.ciiva.com/46440/1, ComponentLink4URL=https://datasheet.ciiva.com/46440/1, ComponentLink5Description=https://datasheet.ciiva.com/7746/17, ComponentLink5URL=https://datasheet.ciiva.com/7746/17, ComponentLink6Description=https://datasheet.ciiva.com/7983/44, ComponentLink6URL=https://datasheet.ciiva.com/7983/44, ComponentLink7Description=https://datasheet.ciiva.com/22747/4, ComponentLink7URL=https://datasheet.ciiva.com/22747/4, Construction=Chip, JESD-609 Code=e3, Manufacturer Part Number=RC0603FR-0710KL, Mounting Technology="Surface Mount", Packaging="Tape and Reel", Part Number=RC0603FR-0710KL, Pins=2, Pricing 1="1=0.1, 10=0.019, 50=0.0112, 100=0.0", Reach SVHC Compliant=Yes, RoHS=Yes, RoHS Compliant=Yes, Stock 1=20315897, Supplier 1=Digikey, Technology="METAL GLAZE/THICK FILM", Terminal Finish=Nickel, Termination=Wraparound
R16 R19 R20: library part RC0603FR-07270RL, "Fixed Resistor, Metal Glaze/thick F", Case/Package=0603, Manufacturer=Yageo, Max Operating Temperature=155°C, Min Operating Temperature=-55°C, Package Height=0.45mm, Package Length=1.6mm, Package Shape=Rectangular, Package Style=SMTMeter, Package Width=0.8mm, Power=100mW, Rated Temperature=70°C, Resistor Type="FIXED RESISTOR", Supplier Part Number 1=7559610, Temperature Coefficient=100ppm/°C, Tolerance=1%, Working Voltage=75V, Additional Feature="LASER TRIMMABLE", Category="Chip SMD Resistors", ComponentLink1Description=https://datasheet.ciiva.com:443/pdf, ComponentLink1URL=https://datasheet.ciiva.com:443/pdf, ComponentLink2Description=https://datasheet.ciiva.com/11808/0, ComponentLink2URL=https://datasheet.ciiva.com/11808/0, ComponentLink3Description=https://datasheet.ciiva.com/2455/py, ComponentLink3URL=https://datasheet.ciiva.com/2455/py, ComponentLink4Description=https://datasheet.ciiva.com/2455/py, ComponentLink4URL=https://datasheet.ciiva.com/2455/py, ComponentLink5Description=https://datasheet.ciiva.com/2455/py, ComponentLink5URL=https://datasheet.ciiva.com/2455/py, ComponentLink6Description=https://datasheet.ciiva.com/15189/g, ComponentLink6URL=https://datasheet.ciiva.com/15189/g, ComponentLink7Description=https://datasheet.ciiva.com/7746/44, ComponentLink7URL=https://datasheet.ciiva.com/7746/44, ComponentLink8Description=https://datasheet.ciiva.com/7746/44, ComponentLink8URL=https://datasheet.ciiva.com/7746/44, Construction=Chip, JESD-609 Code=e3, Manufacturer Part Number=RC0603FR-07270RL, Mounting Technology="Surface Mount", Packaging="Tape and Reel", Part Number=RC0603FR-07270RL, Pins=2, Pricing 1="5000=0.0015, 50000=0.0014, 150000=0", Reach SVHC Compliant=Yes, RoHS=Yes, RoHS Compliant=Yes, Stock 1=855000, Supplier 1="Future Electronics", Technology="METAL GLAZE/THICK FILM", Terminal Finish=Nickel, Termination=Wraparound
SW1 SW2: library part "PTS810 SJK 250 SMTR LFS", "Tactile Switch SPST-NO Top Actuated Surface Mount", Supplier Part Number 1=CKN10503CT-ND, Supplier 1=Digikey
SW3: "Slide Switch DPDT Surface Mount", Supplier Part Number 1=401-2002-1-ND, Supplier 1=Digikey
U1: library part SC0914(13), "ARM® Cortex®-M0+ - Microcontroller IC 32-Bit Dual-Core 133MHz External Program Memory 56-QFN (7x7)", Package="VFQFN-56 Raspberry Pi", Supplier Part Number 1=2648-SC0914(13)CT-ND, Check_prices=https://www.snapeda.com/parts/SC0914(13)/Raspberry+Pi/view-part/?ref=eda, MF="Raspberry Pi", MP=SC0914(13), SnapEDA_Link=https://www.snapeda.com/parts/SC0914(13)/Raspberry+Pi/view-part/?ref=snap, Supplier 1=Digikey
U2: "FLASH - NOR Memory IC 128Mbit SPI - Quad I/O, QPI, DTR 133 MHz 8-SOIC", Supplier Part Number 1=W25Q128JVSIQCT-ND, Supplier 1=Digikey
U3: library part TLV75733PDRVR, "Linear Voltage Regulator IC Positive Fixed 1 Output 1A 6-WSON (2x2)", Supplier Part Number 1=296-49281-1-ND, Supplier 1=Digikey
U4: library part CMI-9705-0380-SMT-TR, "Buzzers Indicator, Internally Driven Magnetic 3 V 30mA 2.7kHz 80dB @ 3V, 10cm Surface Mount Solder Pads"
U5: "Buffer, Non-Inverting 1 Element 1 Bit per Element Push-Pull Output SOT-353"
U6: library part TCAN1044AVDDFRQ1, "1/1 Transceiver Half CANbus TSOT-23-8", Supplier Part Number 1=296-TCAN1057ADDFRQ1CT-ND, Supplier 1=Digikey
U7: "Accelerometer X, Y, Z Axis ±2g, 4g, 8g, 16g 0.5Hz ~ 625Hz 16-LGA (3x3)", Supplier Part Number 1=497-10613-1-ND, Supplier 1=Digikey
X1: library part ABLS-12.000MHZ, "12 MHz ±20ppm Crystal 18pF 50 Ohms HC-49/US", Supplier Part Number 1=535-9067-1-ND, Supplier 1=Digikey

## Free pads (board coordinates)
  round 5.08 hole 3.4 unplated: M3(0,0) M3(0,43.18) M3(0,64.77) M3(66.04,0) M3(66.04,43.18) M3(66.04,64.77)

## Via types
v1: diameter 0.452, hole 0.3, Sig/3V3 to Sig/5V, tented top, 170 vias
v2: diameter 0.457, hole 0.305, Sig/3V3 to Sig/5V, 58 vias
v3: diameter 0.579, hole 0.402, Sig/3V3 to Sig/5V, tented top, 1 vias

## Nets (pads, with @x,y where several pads share a name; then routed paths per layer and width w, separated by ;. In a path a pad name is that pad's centre, name@x,y a point inside that pad or via, vN(x,y) a via of type N, cw(c..) or ccw(c..) an arc to the next point about the centre after c; other vN are vias at no path point)
+1V1_RP: C10.2 C11.2 C12.2 U1.23 U1.45 U1.50 | length 14.5
  Sig/3V3 w0.127: C11.2@30.607,33.871 30.607,33.846 31.019,33.435 31.044,33.435 31.839,32.639 33.655,32.639 34.223,32.071 34.223,30.087 34.09,29.953 U1.50@34.09,29.47 ; U1.23@34.89,22.6 34.89,19.783 35.433,19.24 C12.2@35.433,19.215 ; U1.45@36.09,29.47 36.09,29.994 36.957,30.861 36.957,32.601 C10.2@36.703,32.855
+3V3: J1.4 J1.6 J1.8 J1.44 J1.46 J1.73 J1.75 J1.77 J2.4 J2.6 J2.8 J2.44 J2.46 J2.73 J2.75 J2.77 SW3.1 SW3.4 | length 23.9
  Sig/3V3 w0.254: 49.701,5.595 55.209,5.595 SW3.1@55.209,0.095
  Sig/5V w0.127: v1(18.22,1.27) J1.77@18.22,2.88 ; v1(19.02,1.27) J1.75@19.02,2.88 ; v1(19.82,1.27) J1.73@19.82,2.88 ; J1.46@31.02,7.28 v1(31.02,8.89) ; J1.44@31.82,7.28 v1(31.82,8.89) ; J1.8@46.22,7.28 v1(46.22,8.89) ; J1.6@47.02,7.28 v1(47.02,8.89) ; J1.4@47.82,7.28 v1(47.82,8.89)
+3V3_RP: C1.2 C2.2 C3.2 C4.2 C5.2 C6.2 C7.2 C8.2 C9.2 C13.2 C18.1 C20.2 C21.2 C22.2 J4.1 J5.P4 J6.2 J7.2 J8.1 Q1.2 R3.2 R4.2 R11.2 R12.2 R13.2 SW3.2 SW3.5 U1.1 U1.10 U1.22 U1.33 U1.42 U1.43 U1.44 U1.48 U1.49 U2.8 U5.5 U6.5 U7.1 U7.8 U7.14 | length 50.1
  Sig/3V3 w0.127: U6.5@10.063,-1.524 C20.2@12.408,-1.524 ; U2.8@21.385,40.005 C13.2@23.749,40.005 ; C8.2@32.131,33.871 32.385,33.617 32.385,33.147 32.639,32.893 33.782,32.893 34.49,32.185 U1.49@34.49,29.47 ; C9.2@33.655,33.871 33.909,33.617 33.909,33.147 34.769,32.287 34.769,30.087 34.89,29.966 U1.48@34.89,29.47 ; C5.2@33.909,19.215 33.909,19.24 34.49,19.821 U1.22@34.49,22.6 ; C21.2@42.672,21.566 U7.1@44.45,21.566 ; U7.14@46.175,21.791 C22.2@46.175,23.306
  Sig/3V3 w0.152: C7.2@27.724,25.035 U1.10@30.855,25.035 ; C6.2@27.724,28.635 U1.1@30.855,28.635 ; U1.44@36.49,29.47 36.49,30.013 38.227,31.75 C1.2@38.227,32.855 ; U1.43@36.89,29.47 36.902,29.482 36.902,29.981 39.751,32.83 C2.2@39.751,32.855 ; U1.33@37.725,25.035 C4.2@40.856,25.035 C4.2@40.999,24.892 ; U1.42@37.725,28.635 C3.2@40.856,28.635 ; C22.2@46.175,23.306 46.376,23.507 C22.2@46.376,23.785
  Sig/3V3 w0.254: SW3.2@57.709,0.095 SW3.5@57.709,5.595
  other v1: 27.94,29.718
  other v2: 9.525,16.383 29.845,16.383 40.005,16.383 50.165,16.383 55.245,26.543 9.525,36.703 19.685,36.703 29.845,36.703 40.005,36.703 50.165,36.703 14.605,46.863 24.765,46.863 34.925,46.863 45.085,46.863 55.245,46.863 9.525,57.023 19.685,57.023 29.845,57.023 40.005,57.023 50.165,57.023 60.325,57.023 4.445,67.183 14.605,67.183 24.765,67.183 34.925,67.183 55.245,67.183
+3V3_USB0: C17.2 R10.2 SW3.3 SW3.6 TP2.1 U3.1 | length 42.8
  Sig/3V3 w0.254: R10.2@49.568,32.62 C17.2@49.568,35.175 U3.1@51.857,35.175 ; R10.2@49.784,32.404 52.057,32.404 TP2.1@52.476,31.985 ; TP2.1@52.832,31.985 52.832,30.48 60.325,22.987 60.325,5.711 SW3.6@60.158,5.544 ; SW3.3@60.209,0.095 SW3.6@60.209,5.544